# Altium PCB S3220B.PcbDoc (part 2 of 3)
Units mm, origin at the board's own origin, x right, y up, seen from the top; angles counter-clockwise.
Board outline 147 x 62.5 mm, 4 copper layers (Top Layer, Internal 1, Internal 2, Bottom Layer), stack 1.41 mm thick; 235 components, 191 nets, 994 pads, 1141 vias.
Unrouted connection lines stored in the file: 237.
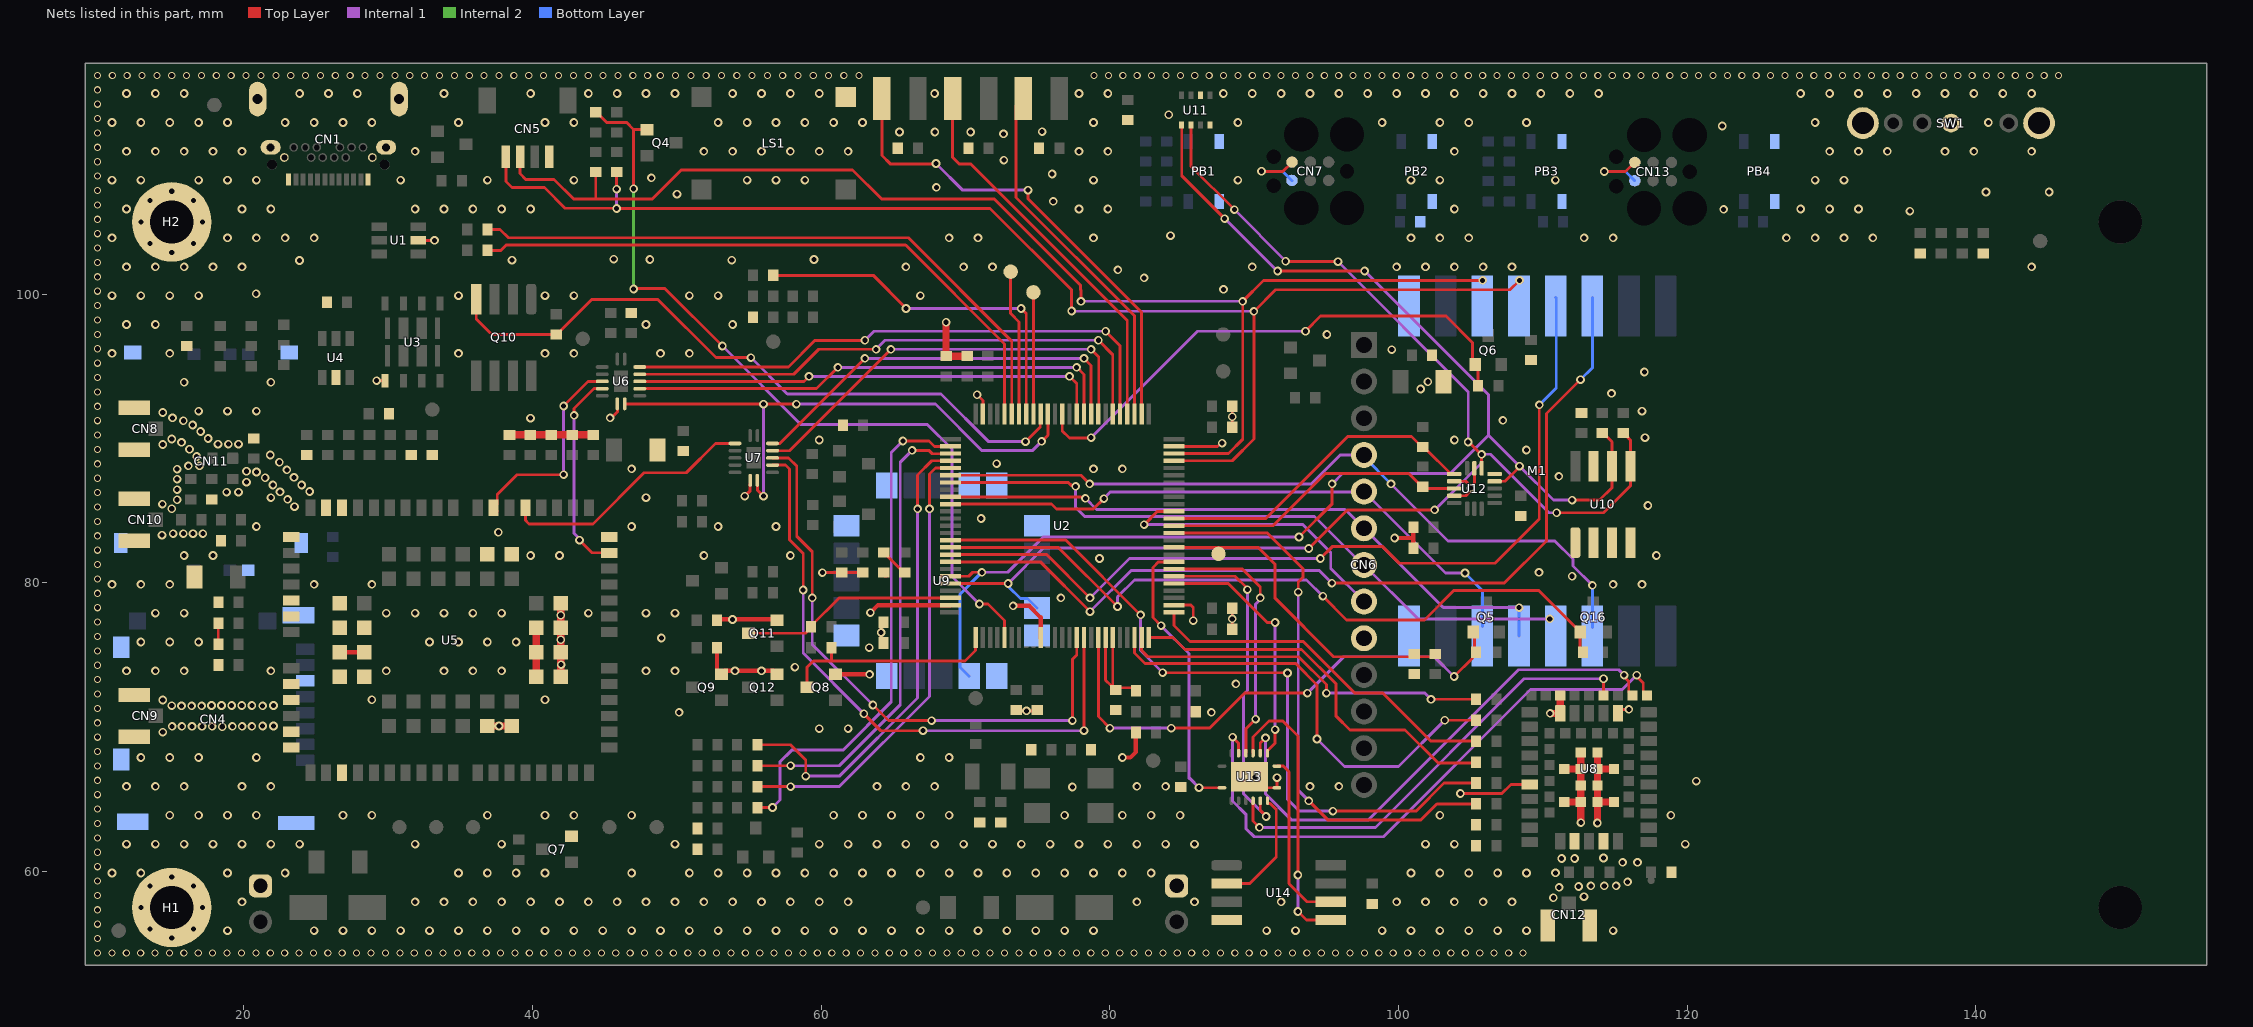
[diagram p4: the nets of this part, all layers, seen from the top]

## Part data (continued)
CN6: library part CN_RFID-PN5180, "RFID Module PN5180", Manufacturer="Swiss Innovation Lab", Manufacturer Part Number=RFID-PN5180, Currency=$, Price=5, Supplier 1="Swiss Innovation Lab", Supplier Part Number 1=RFID-PN5180
CN7 CN13: library part CN_TC2030, "TC2030-MCP-NL", ValueAux=_MCP, Currency=$, Price=0
CN8 CN9 CN10 CN12: library part CN_RF_uFL, "Ultra Miniature Coaxial Connector Jack, Male Pin 50 Ohm Surface Mount Solder", Manufacturer="TE Connectivity AMP Connectors", Manufacturer Part Number=1909763-1, Supplier Part Number 1=A118077CT-ND, Currency=$, Price=0,25410, Supplier 1=Digi-Key
CN11: library part CN_MicroSIM-Holder, "6 Position Card Connector Micro SIM Surface Mount, Right Angle Gold", Manufacturer="Molex LLC", Manufacturer Part Number=0788000001, Supplier Part Number 1=WM9786CT-ND, Currency=$, Price=1,14178, Supplier 1=Digi-Key
D1 D2: library part D_40V_3A, "Diode Schottky 40V 3A Surface Mount DO-214AC (SMA)", Manufacturer="Comchip Technology", Manufacturer Part Number=CDBA340L-HF, Supplier Part Number 1=641-1702-6-ND, ValueAux=_3A, Currency=$, Price=0,25740, Supplier 1=Digi-Key
D3: library part D_LED_G_2mA, "Green 570nm LED Indication - Discrete 1.8V 2-SMD, Boomerang", Manufacturer="OSRAM Opto Semiconductors Inc.", Manufacturer Part Number="LG A67K-G2K1-24-0-2-R33-Z", Supplier Part Number 1=475-LGA67K-G2K1-24-0-2-R33-ZTR-ND, ValueAux=_Green, Currency=$, Price=0,10408, Supplier 1=Digi-Key
D4: library part D_LED_R_2mA, "Red 630nm LED Indication - Discrete 1.8V 2-SMD, Boomerang", Manufacturer="OSRAM Opto Semiconductors Inc.", Manufacturer Part Number="LS A67K-J1K2-1-Z", Supplier Part Number 1=475-3123-1-ND, ValueAux=_Red, Currency=$, Price=0,10626, Supplier 1=Digi-Key
D5: library part D_LED_B_10mA, "Blue 471nm LED Indication - Discrete 3.1V 2-SMD, Boomerang", Manufacturer="OSRAM Opto Semiconductors Inc.", Manufacturer Part Number="LB A673-L2N1-35-Z", Supplier Part Number 1=LBA673-L2N1-35-Z-ND, ValueAux=_Blue, Currency=$, Price=0,11695, Supplier 1=Digi-Key
D6 D8 D9: library part D_LED_R_5mA, "Red 631nm LED Indication - Discrete 2V 0603", Manufacturer="Lite-On Inc.", Manufacturer Part Number=LTST-C193KRKT-5A, Supplier Part Number 1=160-1830-1-ND, ValueAux=_Red, Currency=$, Price=0,07565, Supplier 1=Digi-Key
D7: library part D_TVS_15V, "TVS DIODE 15V 27.4V DSN1608-2", Manufacturer="Nexperia USA Inc.", Manufacturer Part Number=PTVS15VZ1USKYL, Supplier Part Number 1=1727-2745-6-ND, ValueAux=_15V, Currency=$, Price=0,09950, Supplier 1=Digi-Key
F1 F2: library part F_5A_63V, "FUSE BOARD MNT 5A 63VAC/VDC 1206", Manufacturer="Bel Fuse Inc.", Manufacturer Part Number="C1S 5", Supplier Part Number 1=507-1194-1-ND, ValueAux=_63V, Currency=$, Price=0,17995, Supplier 1=Digi-Key
FB1: library part FB_68R_1A, "FERRITE BEAD 68 OHM 0603 1LN", Manufacturer="Laird-Signal Integrity Products", Manufacturer Part Number=MI0603J680R-10, Supplier Part Number 1=240-2372-1-ND, ValueAux=_1A, Currency=$, Price=0,02658, Supplier 1=Digi-Key
FD1 FD2 FD3: library part FD_Fiducial, "Reference point for assembly machine", Manufacturer="Swiss Innovation Lab", Currency=$, Manufacturer Part Number=Fiducial, Price=0, Supplier 1="Swiss Innovation Lab", Supplier Part Number 1=Fiducial
H1 H2: library part H_Hole_3M_55M, "Hole 3mm, Pad 5.5mm", Manufacturer="Swiss Innovation Lab", Manufacturer Part Number="Hole 3mm", Currency=$, Price=0, Supplier 1="Swiss Innovation Lab", Supplier Part Number 1="Hole 3mm"
L1: library part L_47nH_300mA, "47nH Unshielded Multilayer Inductor 300mA 700 mOhm Max 0603 (1608 Metric)", Manufacturer="Taiyo Yuden", Manufacturer Part Number=HK160847NJ-T, Supplier Part Number 1=587-1553-1-ND, ValueAux=_300mA, Currency=$, Price=0,03961, Supplier 1=Digi-Key
LS1: library part LS_SMT-1028-S-2-R, "Buzzers Transducer, Externally Driven Electromechanical/Magnetic 3.6 V 100mA 2.83kHz 93dB @ 3.6V, 10cm Surface Mount Solder Pads", Manufacturer="PUI Audio, Inc.", Supplier Part Number 1=668-1531-1-ND, Currency=$, Manufacturer Part Number=SMT-1028-S-2-R, Price=1,99500, Supplier 1=Digi-Key
M1: library part M_M300_socket, "Module M300 motherboard socket", Manufacturer="Swiss Innovation Lab", Manufacturer Part Number=M300, ValueAux=_socket, Currency=$, Price=0, Supplier 1="Swiss Innovation Lab", Supplier Part Number 1=M300
MH1: library part MH_TW13-3, "Case Takachi TW13-3", Manufacturer=Takachi, Currency=$, Manufacturer Part Number=TW13-3, Price=0
PB1 PB2 PB3 PB4: library part PB_SPST_2.5mm, "Tactile Switch SPST-NO Top Actuated Surface Mount", Manufacturer=C&K, Manufacturer Part Number="PTS810 SJM 250 SMTR LFS", Supplier Part Number 1=CKN10502DKR-ND, Currency=$, Price=0,17302, Supplier 1=Digi-Key
Q1 Q2 Q3 Q4 Q5 Q6 Q13 Q14 Q15 Q16: library part Q_PMV65, "P-Channel 20V 2.8A (Ta) 480mW (Ta), 6.25W (Tc) Surface Mount TO-236AB (SOT23)", Manufacturer="Nexperia USA Inc.", Supplier Part Number 1=1727-2310-1-ND, Currency=$, Manufacturer Part Number=PMV65XPEAR, Price=0,11204, Supplier 1=Digi-Key
Q7 Q8 Q9 Q11 Q12: library part Q_DDTC143, "Pre-Biased Bipolar Transistor (BJT) NPN - Pre-Biased 50 V 100 mA 250 MHz 200 mW Surface Mount SOT-23-3", Manufacturer="Diodes Incorporated", Manufacturer Part Number=DDTC143ZCA-7-F, Supplier Part Number 1=DDTC143ZCA-FDICT-ND, Currency=$, Price=0,04198, Supplier 1=Digi-Key
Q10: library part Q_AOSP21313C, "P-Channel 30 V 7A (Ta) 2.5W (Ta) Surface Mount 8-SOIC", Manufacturer="Alpha & Omega Semi.", Supplier Part Number 1=785-AOSP21313CCT-ND, Currency=$, Manufacturer Part Number=AOSP21313C, Price=0,28336, Supplier 1=Digi-Key
R1 R2 R5 R6 R7 R8 R9 R10 R21 R25 R27 R39 R40 R60 R61 R66 R67 R74 R75 R82 R83: library part R_1M_1%, "1 MOhms ±1% 0.1W, 1/10W Chip Resistor 0603 (1608 Metric) Automotive AEC-Q200 Thick Film", Manufacturer="Panasonic Electronic Components", Manufacturer Part Number=ERJ-3EKF1004V, Supplier Part Number 1=P1.00MHCT-ND, Currency=$, Price=0,01264, Supplier 1=Digi-Key
R3 R4 R28 R29 R30 R31 R55 R68 R69 R70 R71 R72 R73 R76: library part R_68_1%, "68 Ohms ±1% 0.1W, 1/10W Chip Resistor 0603 (1608 Metric) Automotive AEC-Q200 Thick Film", Manufacturer="Panasonic Electronic Components", Manufacturer Part Number=ERJ-3EKF68R0V, Supplier Part Number 1=P68.0HCT-ND, Currency=$, Price=0,01449, Supplier 1=Digi-Key
R11 R12 R13 R14: library part R_47k_1%, "47 kOhms ±1% 0.1W, 1/10W Chip Resistor 0603 (1608 Metric) Automotive AEC-Q200 Thick Film", Manufacturer="Panasonic Electronic Components", Manufacturer Part Number=ERJ-3EKF4702V, Supplier Part Number 1=P47.0KHCT-ND, Currency=$, Price=0,00670, Supplier 1=Digi-Key
R15 R16 R37 R54 R58 R59 R62 R63 R78 R80 R81: library part R_10k_1%, "10 kOhms ±1% 0.1W, 1/10W Chip Resistor 0603 (1608 Metric) Automotive AEC-Q200 Thick Film", Manufacturer="Panasonic Electronic Components", Manufacturer Part Number=ERJ-3EKF1002V, Supplier Part Number 1=P10.0KHCT-ND, Currency=$, Price=0,01449, Supplier 1=Digi-Key
R17 R18 R19 R20: library part R_33_1%, "33 Ohms ±1% 0.1W, 1/10W Chip Resistor 0603 (1608 Metric) Automotive AEC-Q200 Thick Film", Manufacturer="Panasonic Electronic Components", Manufacturer Part Number=ERJ-3EKF33R0V, Supplier Part Number 1=P33.0HCT-ND, Currency=$, Price=0,01449, Supplier 1=Digi-Key
R22 R23 R24: library part R_620_1%, "620 Ohms ±1% 0.1W, 1/10W Chip Resistor 0603 (1608 Metric) Automotive AEC-Q200 Thick Film", Manufacturer="Panasonic Electronic Components", Manufacturer Part Number=ERJ-3EKF6200V, Supplier Part Number 1=P620HCT-ND, Currency=$, Price=0,01273, Supplier 1=Digi-Key
R26 R33 R35 R36 R38 R42 R43 R44 R45 R46 R47 R48 R51 R56 R57 R64 R65: library part R_0_1%, "0 Ohms Jumper 0.1W, 1/10W Chip Resistor 0603 (1608 Metric) Automotive AEC-Q200 Thick Film", Manufacturer="Panasonic Electronic Components", Manufacturer Part Number=ERJ-3GEY0R00V, Supplier Part Number 1=P0.0GCT-ND, Currency=$, Price=0,00962, Supplier 1=Digi-Key
R32 R34 R77: library part R_1k_1%, "1 kOhms ±1% 0.1W, 1/10W Chip Resistor 0603 (1608 Metric) Automotive AEC-Q200 Thick Film", Manufacturer="Panasonic Electronic Components", Manufacturer Part Number=ERJ-3EKF1001V, Supplier Part Number 1=P1.00KHCT-ND, Currency=$, Price=0,01153, Supplier 1=Digi-Key
R41: library part R_10_1%, "10 Ohms ±1% 0.1W, 1/10W Chip Resistor 0603 (1608 Metric) Automotive AEC-Q200 Thick Film", Manufacturer="Panasonic Electronic Components", Manufacturer Part Number=ERJ-3EKF10R0V, Supplier Part Number 1=P10.0HCT-ND, Currency=$, Price=0,01153, Supplier 1=Digi-Key
R49 R50 R52: library part R_22_1%, "22 Ohms ±1% 0.1W, 1/10W Chip Resistor 0603 (1608 Metric) Automotive AEC-Q200 Thick Film", Manufacturer="Panasonic Electronic Components", Manufacturer Part Number=ERJ-3EKF22R0V, Supplier Part Number 1=P22.0HCT-ND, Currency=$, Price=0,01153, Supplier 1=Digi-Key
R53: library part R_15k_1%, "15 kOhms ±1% 0.1W, 1/10W Chip Resistor 0603 (1608 Metric) Automotive AEC-Q200, Moisture Resistant Thick Film", Manufacturer=Yageo, Manufacturer Part Number=AC0603FR-0715KL, Supplier Part Number 1=YAG3569DKR-ND, Currency=$, Price=0,00527, Supplier 1=Digi-Key
R79: library part R_100k_1%, "100 kOhms ±1% 0.1W, 1/10W Chip Resistor 0603 (1608 Metric) Automotive AEC-Q200 Thick Film", Manufacturer="Panasonic Electronic Components", Manufacturer Part Number=ERJ-3EKF1003V, Supplier Part Number 1=P100KHCT-ND, Currency=$, Price=0,01367, Supplier 1=Digi-Key
SW1: library part SW_SP3T_Slide, "Slide Switch SP3T Through Hole, Right Angle", Manufacturer=C&K, Manufacturer Part Number=OS103011MA7QP1, Supplier Part Number 1=CKN9561-ND, Currency=$, Price=0,42483, Supplier 1=Digi-Key
TP1 TP2 TP3 TP4 TP5 TP6 TP7 TP8 TP9 TP10 TP11 TP12 TP13 TP14: library part TP_Test_point, Manufacturer="Swiss Innovation Lab", Currency=$, Manufacturer Part Number="Test point", Price=0
U1: library part U_USBLC6, "TVS DIODE 5.25V 17V SOT23-6", Manufacturer=STMicroelectronics, Manufacturer Part Number=USBLC6-2SC6Y, Supplier Part Number 1=497-11882-6-ND, Currency=$, Price=0,33501, Supplier 1=Digi-Key
U2: library part U_STM32L476, "ARM® Cortex®-M4 STM32L4 Microcontroller IC 32-Bit 80MHz 1MB (1M x 8) FLASH 100-LQFP (14x14)", Manufacturer=STMicroelectronics, Supplier Part Number 1=497-15873-ND, Currency=$, Manufacturer Part Number=STM32L476VGT6, Price=5,98590, Supplier 1=Digi-Key
U3: library part U_eSIM-M2M, "M2M embedded SIM card IC", Manufacturer=1NCE, Currency=$, Manufacturer Part Number=eSIM, Price=12,0, Supplier 1=1NCE, Supplier Part Number 1=eSIM
U4: library part U_SRV05-4HTG, "TVS DIODE 6V 15V SOT23-6", Manufacturer="Littelfuse Inc.", Supplier Part Number 1=F4204CT-ND, Currency=$, Manufacturer Part Number=SRV05-4HTG, Price=0,40556, Supplier 1=Digi-Key
U5: library part U_BG95, "MultiBand, 3GPP Rel.13, LTE Cat.M1/NB1, GSM/EGPRS, 3xUART, VoLTE", Manufacturer=Quectel, Currency=$, Manufacturer Part Number=BG95-M3, Price=15,98590, Supplier 1=Codico, Supplier Part Number 1=BG95-M3
U6 U7: library part U_NTB0104BQ, "Voltage Level Translator Bidirectional 1 Circuit 4 Channel 100Mbps 14-DHVQFN (2.5x3)", Manufacturer="NXP USA Inc.", Manufacturer Part Number=NTB0104BQ,115, Supplier Part Number 1=568-8404-1-ND, Currency=$, Price=0,57635, Supplier 1=Digi-Key
U8: library part U_NINA-B301, "MOD BLE 4.2 NORDIC NRF52840 SOC", Manufacturer=uBlox, Currency=$, Manufacturer Part Number=NINA-B301, Price=7,5, Supplier 1=uBlox, Supplier Part Number 1=NINA-B301
U9: library part U_SAM-M8Q, "SAM-M8Q RF Receiver Galileo, GLONASS, GPS 1.575GHz, 1.602GHz -165dBm 400kbps", Manufacturer="U-Blox America Inc.", Manufacturer Part Number=SAM-M8Q-0-10, Supplier Part Number 1=672-1054-1-ND, Currency=$, Price=12,75120, Supplier 1=Digi-Key
U10: library part U_M24C32, "EEPROM Memory IC 32Kb (4K x 8) I2C 1MHz 450ns 8-SO", Manufacturer=STMicroelectronics, Manufacturer Part Number=M24C32-WMN6TP, Supplier Part Number 1=497-5027-1-ND, Currency=$, Price=0,18324, Supplier 1=Digi-Key
U11: library part U_BME280, "Humidity Temperature Sensor 0 ~ 100% RH I2C, SPI ±3% 1s Surface Mount", Manufacturer="Bosch Sensortec", Supplier Part Number 1=828-1063-1-ND, Currency=$, Manufacturer Part Number=BME280, Price=3,71140, Supplier 1=Digi-Key
U12: library part U_MMA8452, "Accelerometer X, Y, Z Axis ±2g, 4g, 8g 0.78Hz ~ 400Hz 16-QFN (3x3)", Manufacturer="NXP USA Inc.", Manufacturer Part Number=MMA8452QT, Supplier Part Number 1=MMA8452QT-ND, Currency=$, Price=1,09888, Supplier 1=Digi-Key
U13: library part U_TS3A5018, "4 Circuit IC Switch 2:1 10Ohm 16-UQFN (2.6x1.8)", Manufacturer="Texas Instruments", Manufacturer Part Number=TS3A5018RGYR, Supplier Part Number 1=296-19899-1-ND, Currency=$, Price=0,25928, Supplier 1=Digi-Key
U14: library part U_W25Q32, "FLASH - NOR Memory IC 32Mb (4M x 8) SPI - Quad I/O 133MHz  8-SOIC", Manufacturer="Winbond Electronics", Manufacturer Part Number=W25Q32JVSSIQ, Supplier Part Number 1=W25Q32JVSSIQ-ND, Currency=$, Price=0,97, Supplier 1=Digi-Key
Y1: library part Y_8MHz_20ppm, "8MHz ±20ppm Crystal 18pF 72 Ohms 4-SMD, No Lead", Manufacturer="Abracon LLC", Manufacturer Part Number=ABMM2-8.000MHZ-E2-T, Supplier Part Number 1=535-9628-1-ND, Currency=$, Price=0,49500, Supplier 1=Digi-Key
Y2: library part Y_32kHz_10ppm, "32.768kHz ±10ppm Crystal 12.5pF 70 kOhms 2-SMD, No Lead", Manufacturer="ECS Inc.", Manufacturer Part Number=ECS-.327-12.5-34B-C-TR, Supplier Part Number 1=XC1968CT-ND, Currency=$, Price=0,42900, Supplier 1=Digi-Key
Z1: library part Z_I_sense, "2 Positions Header Connector 0.100\" (2.54mm) SMD Gold for current measurement", Manufacturer=SIL, Currency=$, Manufacturer Part Number="I sense", Price=0, Supplier 1=SIL, Supplier Part Number 1="I sense"
Z2 Z5: library part Z_PGM, "Programmer Template", Manufacturer="Swiss Innovation Lab", Currency=$, Manufacturer Part Number="SIL PGM", Price=0
Z3 Z4: library part Z_SIL_logo, Manufacturer="Swiss Innovation Lab", Manufacturer Part Number="SIL Logo", Currency=$, Price=0, Supplier 1="Swiss Innovation Lab", Supplier Part Number 1="SIL Logo"

## Free pads (board coordinates)
  round 3 hole 3 unplated: ""(150,57.5) ""(150,105)

## Via types
v1: diameter 0.6, hole 0.35, Top Layer to Bottom Layer, tented both sides, 861 vias
v2: diameter 0.5, hole 0.35, Top Layer to Bottom Layer, tented both sides, 280 vias

## Nets (pads, with @x,y where several pads share a name; then routed paths per layer and width w, separated by ;. In a path a pad name is that pad's centre, name@x,y a point inside that pad or via, vN(x,y) a via of type N, cw(c..) or ccw(c..) an arc to the next point about the centre after c; other vN are vias at no path point)
AGND: C12.1 R35.2 U2.19 U2.20 | length 8.6
  Top Layer w0.2: 79.7,73.25 80.075,72.875 80.1,72.875 R35.2@80.2,72.775 ; 79.7,73.3 U2.19@79.7,76.212 ; R35.2@80.2,72.675 80.2,72.725 80.271,72.654 R35.2@80.271,72.629 ; R35.2@80.2,72.825 80.2,72.875 U2.20@80.2,76.212 ; R35.2@80.4,72.625 80.5,72.725 C12.1@81.8,72.725
BATTERY_AIN: R2.1 R6.2 TP3.1 U2.35 | length 22.8
  Top Layer w0.2: U2.35@84.438,82.45 90.275,82.45 91.45,81.275 91.45,78.925 95.5,74.875 100.875,74.875 R6.2@101.075,75.075 101.275,74.875 102.325,74.875 R2.1@102.525,75.075
BOOT0_CPU: R34.1 R37.2 | length 2.1
  Top Layer w0.2: R37.2@64.325,82.1 64.375,82.1 64.625,81.85 64.625,81.8 65.475,80.95 65.725,80.7 R34.1@65.775,80.7
BUZZER_CTRL: Q4.1 R25.1 U2.5 | length 56.7
  Top Layer w0.2: R25.1@44.375,112.6 44.425,112.6 45.125,111.9 46.5,111.9 47,111.4 ; 46.993,111.4 47,111.4 ; v1(47,100.35) 47.025,100.375 49.175,100.375 v1(53.15,96.4) ; v1(47,107.3) 47,111.4 ; Q4.1@47.925,111.4 47,111.4 ; v1(70.95,78.525) 71.55,78.525 72.7,77.375 U2.5@72.7,76.212
  Internal 1 w0.2: v1(53.15,96.4) 58.575,90.975 67.35,90.975 69.05,89.275 69.05,80.425 v1(70.95,78.525)
  Internal 2 w0.2: v1(47,100.35) v1(47,107.3)
CPU_BUSY_RFID: CN6.8 U2.40 | length 20.5
  Top Layer w0.2: v1(82.375,84.025) 83.3,84.95 U2.40@84.438,84.95
  Internal 1 w0.2: v1(82.375,84.025) 93.375,84.025 95.3,82.1 95.3,80.995 CN6.8@97.6,78.695
CPU_CTS_BLE: R69.1 U2.23 | length 31.5
  Top Layer w0.2: U2.23@81.7,76.212 81.7,75.125 82.425,74.4 ; 82.45,74.4 92.875,74.4 94.35,72.925 v1(94.35,69.175) ; v1(103.2,70.475) R69.1@105.375,70.475
  Internal 1 w0.2: v1(94.35,69.175) 96.25,67.275 100,67.275 v1(103.2,70.475)
CPU_CTS_MODEM: U2.58 U7.12 | length 29.7
  Top Layer w0.2: U7.12@56.627,89.149 57.799,89.149 63.55,94.9 v1(64.825,96.175) ; v1(78.7,96.175) 79.225,95.65 79.225,91.713 U2.58@79.2,91.688
  Internal 1 w0.2: v1(64.825,96.175) v1(78.7,96.175)
CPU_DCD_MODEM: U2.61 U6.11 | length 32.7
  Top Layer w0.2: U6.11@47.427,93.949 58.799,93.949 v1(59.15,94.3) ; v1(77.2,94.3) 77.7,93.8 U2.61@77.7,91.688
  Internal 1 w0.2: v1@59.175,94.3 v1(77.2,94.3)
CPU_DTR_MODEM: U2.60 U6.10 | length 34.3
  Top Layer w0.2: U6.10@47.427,93.449 59.674,93.449 v1(61.15,94.925) ; v1@77.71,94.925 78.2,94.435 U2.60@78.2,91.688
  Internal 1 w0.2: v1(61.15,94.925) v1(77.7,94.925)
CPU_MISO_RFID: CN6.6 M1.13 U2.84 | length 44.5
  Top Layer w0.2: U2.84@68.962,85.95 77.983,85.95 78.006,85.927 78.223,85.927 v1(78.3,85.85)
  Internal 1 w0.2: v1(78.3,85.85) 79.075,85.075 96.3,85.075 CN6.6@97.6,83.775 103.1,78.275 v1(108.35,78.275)
  Bottom Layer w0.2: M1.13@108.345,76.315 108.35,76.32 v1(108.35,78.275)
CPU_MISO_SD: R19.1 U2.79 | length 33
  Top Layer w0.2: R19.1@55.575,68.775 57.875,68.775 58.925,67.725 v1(58.925,66.6) ; v1(66.675,85.125) 66.675,87.475 67.65,88.45 U2.79@68.962,88.45
  Internal 1 w0.2: v1(58.925,66.6) 61.25,66.6 66.675,72.025 v1(66.675,85.125)
CPU_MOSI_RFID: CN6.5 M1.14 U2.85 | length 42.8
  Top Layer w0.2: U2.85@68.962,85.45 75.95,85.45 76.3,85.1 78.85,85.1 v1(79.575,85.825)
  Internal 1 w0.2: v1(79.575,85.825) 80.05,86.3 97.585,86.3 CN6.5@97.6,86.315 103.24,80.675 v1(104.6,80.675)
  Bottom Layer w0.2: v1(104.6,80.675) 105.825,79.45 M1.14@105.825,76.975
CPU_MOSI_SD: R18.1 U2.80 | length 31.6
  Top Layer w0.2: R18.1@55.575,65.875 v1(57.875,65.875) ; v1(67.5,85.125) 67.5,87.526 67.924,87.95 U2.80@68.962,87.95
  Internal 1 w0.2: v1(57.875,65.875) 61.25,65.875 67.5,72.125 v1(67.5,85.125)
CPU_RTS_BLE: R68.1 U2.24 | length 25.8
  Top Layer w0.2: U2.24@82.2,76.212 82.2,75.3 82.625,74.875 93.022,74.875 ; 93.072,74.875 95,72.947 v1(95,72.35) ; v1(102.25,71.925) R68.1@105.375,71.925
  Internal 1 w0.2: v1(95,72.35) 101.825,72.35 v1(102.25,71.925)
CPU_RTS_MODEM: U2.59 U7.13 | length 28.1
  Top Layer w0.2: U7.13@56.625,89.65 57.125,89.65 v1(63.025,95.55) ; v1(78.2,95.55) 78.7,95.05 U2.59@78.7,91.688
  Internal 1 w0.2: v1(63.025,95.55) v1(78.2,95.55)
CPU_RXD_BLE: R70.1 U2.26 | length 25.1
  Top Layer w0.2: U2.26@84.438,77.95 84.438,77.037 85.55,75.925 ; 85.575,75.925 93.4,75.925 96.975,72.35 98.925,72.35 99.9,71.375 ; 99.9,71.375 102.25,69.025 R70.1@105.375,69.025
CPU_RXD_DBG: M1.6 U2.93 | length 63.6
  Top Layer w0.2: U2.93@68.962,81.45 75.175,81.45 v1(78.625,78) ; v1(95.375,79.975) 107.325,79.975 110.25,82.9 110.25,91.725 v1(112.6,94.075)
  Internal 1 w0.2: v1(78.625,78) 81.475,80.85 94.5,80.85 v1(95.375,79.975)
  Bottom Layer w0.2: v1(112.6,94.075) 113.425,94.9 M1.6@113.425,99.76
CPU_RXD_GNSS: U2.15 U7.11 | length 40.8
  Top Layer w0.2: U7.11@56.627,88.649 57.733,88.649 58.3,88.082 58.3,83.225 59.375,82.15 v1(59.375,78.95) ; v1(63.575,71.525) 64.65,70.45 v1(67.65,70.45) ; v1(77.4,70.45) 77.4,74.7 77.7,75 U2.15@77.7,76.212
  Internal 1 w0.2: v1(59.375,78.95) 59.375,75.725 v1(63.575,71.525) ; v1(67.65,70.45) v1(77.4,70.45)
CPU_RXD_MODEM: U2.56 U6.12 | length 38.3
  Top Layer w0.2: U6.12@47.427,94.449 58.099,94.449 59.825,96.175 v1(63.8,96.175) ; v1(79.2,96.8) 80.2,95.8 ; U2.56@80.2,91.688 80.2,95.789
  Internal 1 w0.2: v1(63.8,96.175) 64.425,96.8 v1(79.2,96.8)
CPU_SCK_RFID: CN6.7 M1.12 U2.82 | length 46.3
  Top Layer w0.2: U2.82@68.962,86.95 77.117,86.95 77.315,86.752 77.548,86.752 v1(77.625,86.675)
  Internal 1 w0.2: v1(77.625,86.675) 77.625,85.225 78.25,84.6 94.175,84.6 97.54,81.235 CN6.7@97.6,81.235 101.335,77.5 v1(110.475,77.5)
CPU_SCK_SD: R17.1 U2.78 | length 32.4
  Top Layer w0.2: R17.1@55.575,67.325 v1(57.875,67.325) ; v1(66.3,89.175) 67.45,89.175 67.688,88.938 68.949,88.938 U2.78@68.962,88.95
  Internal 1 w0.2: v1(57.875,67.325) 61.25,67.325 65.475,71.55 65.475,88.35 v1(66.3,89.175)
CPU_SIN_BLE: R72.1 U2.90 | length 51.6
  Top Layer w0.2: U2.90@68.962,82.95 76.95,82.95 v1(82.125,77.775) ; v1(83.65,73.775) 83.662,73.763 92.287,73.763 v1(92.3,73.75) ; v1(95.45,64.175) 101.2,64.175 103.15,66.125 R72.1@105.375,66.125
  Internal 1 w0.2: v1(82.125,77.775) 82.125,75.3 v1(83.65,73.775) ; v1(92.3,73.75) 92.3,65 93.125,64.175 v1(95.45,64.175)
CPU_SOUT_BLE: R73.1 U2.37 | length 39.1
  Top Layer w0.2: U2.37@84.438,83.45 90.9,83.45 93.375,80.975 93.375,80.379 93.05,80.054 v1(93.05,79.35) ; v1(93.775,64.894) 93.781,64.894 95.125,63.55 101.525,63.55 102.65,64.675 R73.1@105.375,64.675
  Internal 1 w0.2: v1(93.05,79.35) 93.05,65.619 v1(93.775,64.894)
CPU_TXD_BLE: R71.1 U2.25 | length 28
  Top Layer w0.2: U2.25@82.7,76.212 84.363,76.212 85.2,75.375 93.279,75.375 95.675,72.979 95.675,70.75 96.625,69.8 100.45,69.8 102.725,67.525 R71.1@105.375,67.525 ; R71.1@105.125,67.275 R71.1@105.375,67.525 ; R71.1@105.375,67.575 R71.1@105.375,67.525
CPU_TXD_DBG: M1.5 U2.92 | length 61.1
  Top Layer w0.2: U2.92@68.962,81.95 75.625,81.95 v1(78.625,78.95) ; v1(94.575,81.675) 95.4,82.5 98.9,82.5 100.05,81.35 106.675,81.35 109.75,84.425 v1(109.75,92.325)
  Internal 1 w0.2: v1(78.625,78.95) 81.35,81.675 v1(94.575,81.675)
  Bottom Layer w0.2: v1(109.75,92.325) 110.925,93.5 110.925,99.72 M1.5@110.885,99.76
CPU_TXD_GNSS: U2.16 U7.10 | length 42.6